# KiCad board 2x4.kicad_pcb
title: Macro Keyboard 2x4; date: 2025-06-28; rev: 0.2
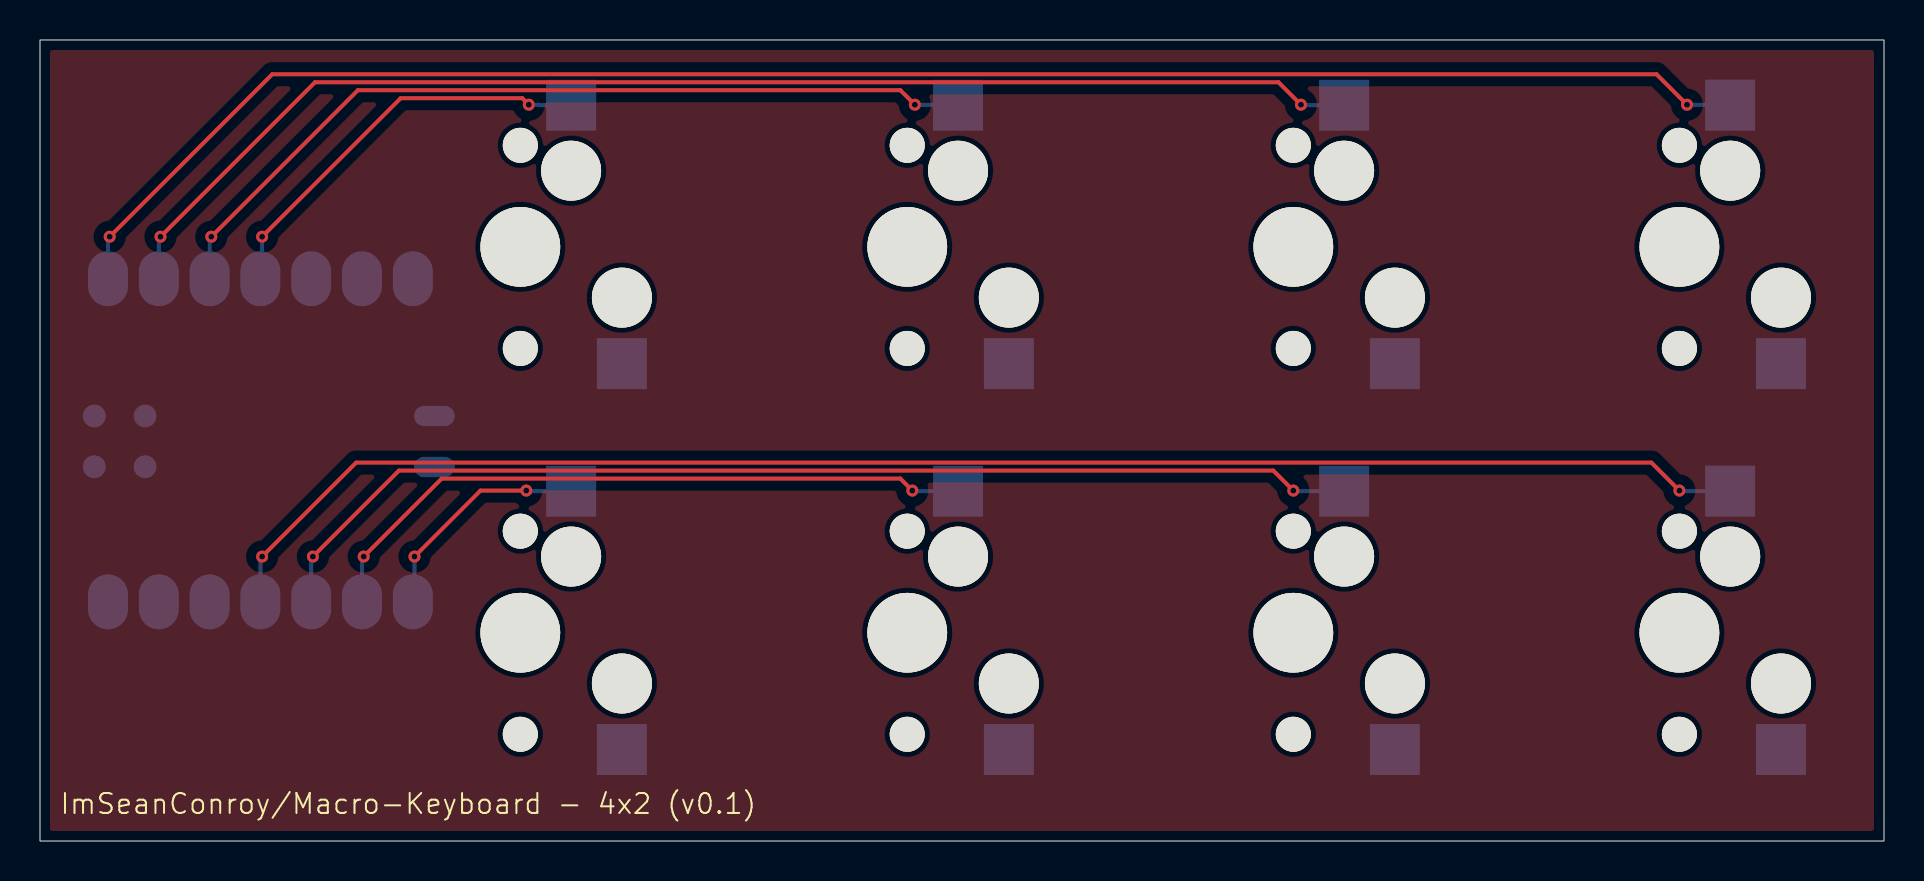
[diagram p0: board, top side]
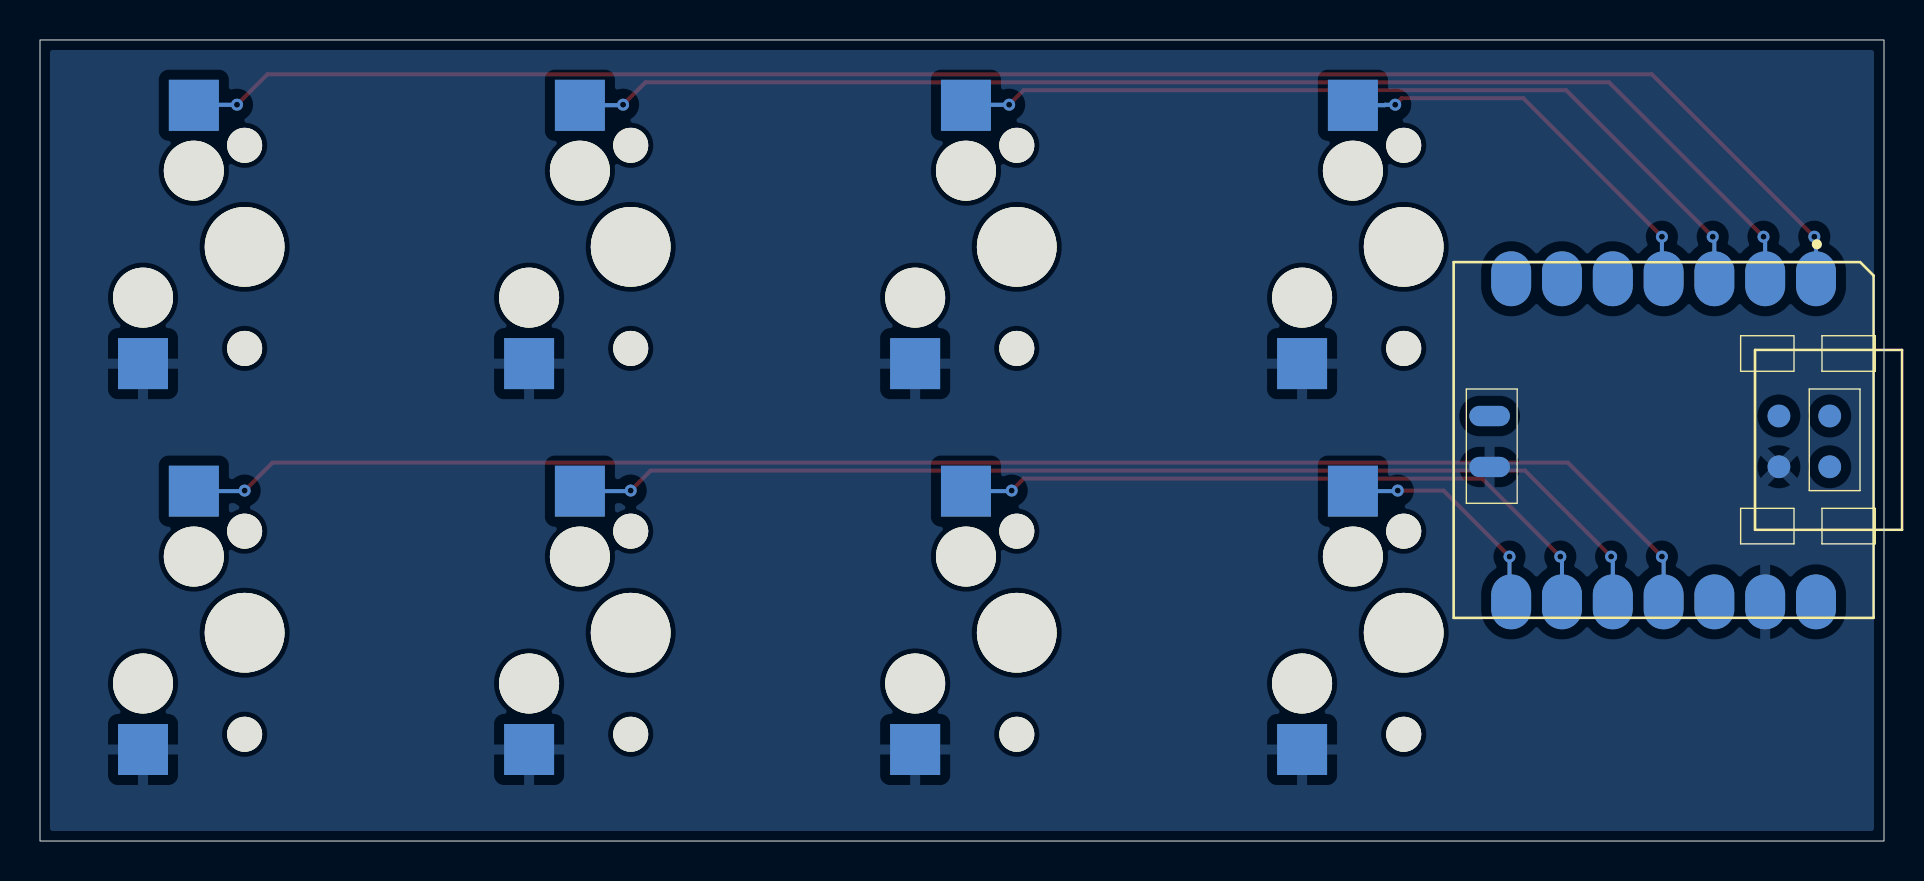
[diagram p1: board, bottom side, seen from below]

Outline 92.2 x 40.07 mm; copper layers: Top, Bottom. Coordinates in mm from the lower left corner of the outline.
Outline path: rectangle 0,40.07 92.2,0
Stack: Top 0.035mm / dielectric 1.51mm FR4 er 4.5 / Bottom 0.035mm

## Placement (name value [footprint] x y rotation side)
SW1  SW_Push  [MXOnly-1U-Hotswap]  24.02 29.72 270 top  (not fitted)
SW2  SW_Push  [MXOnly-1U-Hotswap]  43.36 29.72 270 top  (not fitted)
SW3  SW_Push  [MXOnly-1U-Hotswap]  62.67 29.72 270 top  (not fitted)
SW4  SW_Push  [MXOnly-1U-Hotswap]  81.97 29.72 270 top  (not fitted)
SW5  SW_Push  [MXOnly-1U-Hotswap]  24.02 10.42 270 top  (not fitted)
SW6  SW_Push  [MXOnly-1U-Hotswap]  43.36 10.42 270 top  (not fitted)
SW7  SW_Push  [MXOnly-1U-Hotswap]  62.67 10.42 270 top  (not fitted)
SW8  SW_Push  [MXOnly-1U-Hotswap]  81.97 10.42 270 top  (not fitted)
U2  SeeeduinoXIAO  [Seeeduino XIAO-MOUDLE14P-2.54-21X17.8MM]  21.52 28.96 270 bottom

## Library data of the parts
SW1-SW8 = -: Description: Push button switch, generic, two pins

## Footprints (pads in the part's own frame, mm; a bottom-side part is the same pattern mirrored in y, then rotated)
MXOnly-1U-Hotswap
  round 1.75 hole 1.75 unplated: (-5.08,0) (5.08,0)
  round 3 hole 3 unplated: (-3.81,2.54) (2.54,5.08)
  round 3.988 hole 3.988 unplated: (0,0)
  rect 2.55x2.5 smd far side: 1(-7.085,2.54) 2(5.842,5.08)
Seeeduino XIAO-MOUDLE14P-2.54-21X17.8MM
  oval 2.748x1.999 smd: 1(0.833,18.118) 2(0.833,15.578) 3(0.833,13.038) 4(0.833,10.498) 5(0.833,7.958) 6(0.833,5.418) 7(0.833,2.878) 8(16.998,2.878) 9(16.998,5.418) 10(16.998,7.958) 11(16.998,10.498) 12(16.998,13.038) 13(16.998,15.578) 14(16.998,18.118)
  oval 1.016x2.032 smd: 15(7.7,1.8) 16(10.25,1.8)
  round 1.143 smd: 17(7.699,18.804) 18(10.239,18.804) 19(7.699,16.264) 20(10.239,16.264)

## Nets
GND: SW1.2 SW2.2 SW3.2 SW4.2 SW5.2 SW6.2 SW7.2 SW8.2 U2.13 U2.16 U2.20
sw1: SW1.1 U2.4
sw2: SW2.1 U2.3
sw3: SW3.1 U2.2
sw4: SW4.1 U2.1
sw5: SW5.1 U2.8
sw6: SW6.1 U2.9
sw7: SW7.1 U2.10
sw8: SW8.1 U2.11

Pads without a net: U2 5 6 7 12 14 15 17 18 19

## Via types
v1: diameter 0.6, hole 0.3, Top to Bottom, 16 vias

## Routing (per net, layer and track width the routed paths; a pad name or vN(x,y) marks a point on that pad's centre or on a via; arc(x,y) is an arc through that point)
sw1: length 20.7
  Top w0.2: v1(24.44,36.84) 24.12,37.16 18.03,37.16 v1(11.1,30.23)
  Bottom w0.2: v1(11.1,30.23) 11.1,28.21 U2.4 11.12,28.23 ; v1(24.44,36.84) 24.95,36.84 24.98,36.81 SW1.1
sw2: length 43
  Top w0.2: v1(8.57,30.23) 15.89,37.56 43.02,37.56 v1(43.74,36.84)
  Bottom w0.2: v1(8.57,30.23) 8.48,30.15 U2.3 8.58,28.23 ; v1(43.74,36.84) 45.88,36.84 SW2.1
sw3: length 65.1
  Top w0.2: v1(6.02,30.23) 13.75,37.96 61.92,37.96 v1(63.05,36.84)
  Bottom w0.2: 6.04,28.23 U2.2 5.94,30.15 v1(6.02,30.23) ; SW3.1 63.08,36.81 v1(63.05,36.84)
sw4: length 87.3
  Top w0.2: v1(3.49,30.23) 11.61,38.36 80.83,38.36 v1(82.35,36.84)
  Bottom w0.2: SW4.1 84.48,36.84 v1(82.35,36.84) ; v1(3.49,30.23) 3.4,30.15 U2.1 3.5,28.23
sw5: length 11.5
  Top w0.2: v1(18.73,14.23) 22.03,17.53 v1(24.31,17.53)
  Bottom w0.2: v1(18.73,14.23) 18.73,12.05 U2.8 ; 26.56,17.5 24.34,17.5 v1(24.31,17.53)
sw6: length 33.9
  Top w0.2: v1(16.19,14.23) 20.09,18.13 43.02,18.13 v1(43.62,17.53)
  Bottom w0.2: v1(16.19,14.23) 16.1,14.15 U2.9 ; 45.9,17.5 43.64,17.5 v1(43.62,17.53)
sw7: length 56.1
  Top w0.2: v1(62.67,17.53) 61.67,18.53 17.95,18.53 v1(13.65,14.23)
  Bottom w0.2: v1(13.65,14.23) 13.56,14.15 U2.10 ; 65.21,17.5 62.69,17.5 v1(62.67,17.53)
sw8: length 78.2
  Top w0.2: v1(11.1,14.23) 15.81,18.93 80.57,18.93 v1(81.97,17.53)
  Bottom w0.2: 84.51,17.5 82,17.5 v1(81.97,17.53) ; v1(11.1,14.23) 11.02,14.15 U2.11

## Copper pours and planes (outline as drawn; the poured copper is in the pictures)
GND on Top, Bottom: 98.86,46.23 98.35,-5.84 -8.33,-5.84 -7.82,46.23

## Text on the board
F.Silkscreen: ImSeanConroy/Macro-Keyboard - 4x2 (v0.1)
